# Altium PCB I2C_Jog_Controller.pcbdoc (part 1 of 9)
Units mil, origin at the board's own origin, x right, y up, seen from the top; angles counter-clockwise.
Board outline 3937.01 x 3937.01 mil, 2 copper layers (Top Layer, Bottom Layer), stack 65.398 mil thick; 211 components, 144 nets, 5702 pads, 342 vias.
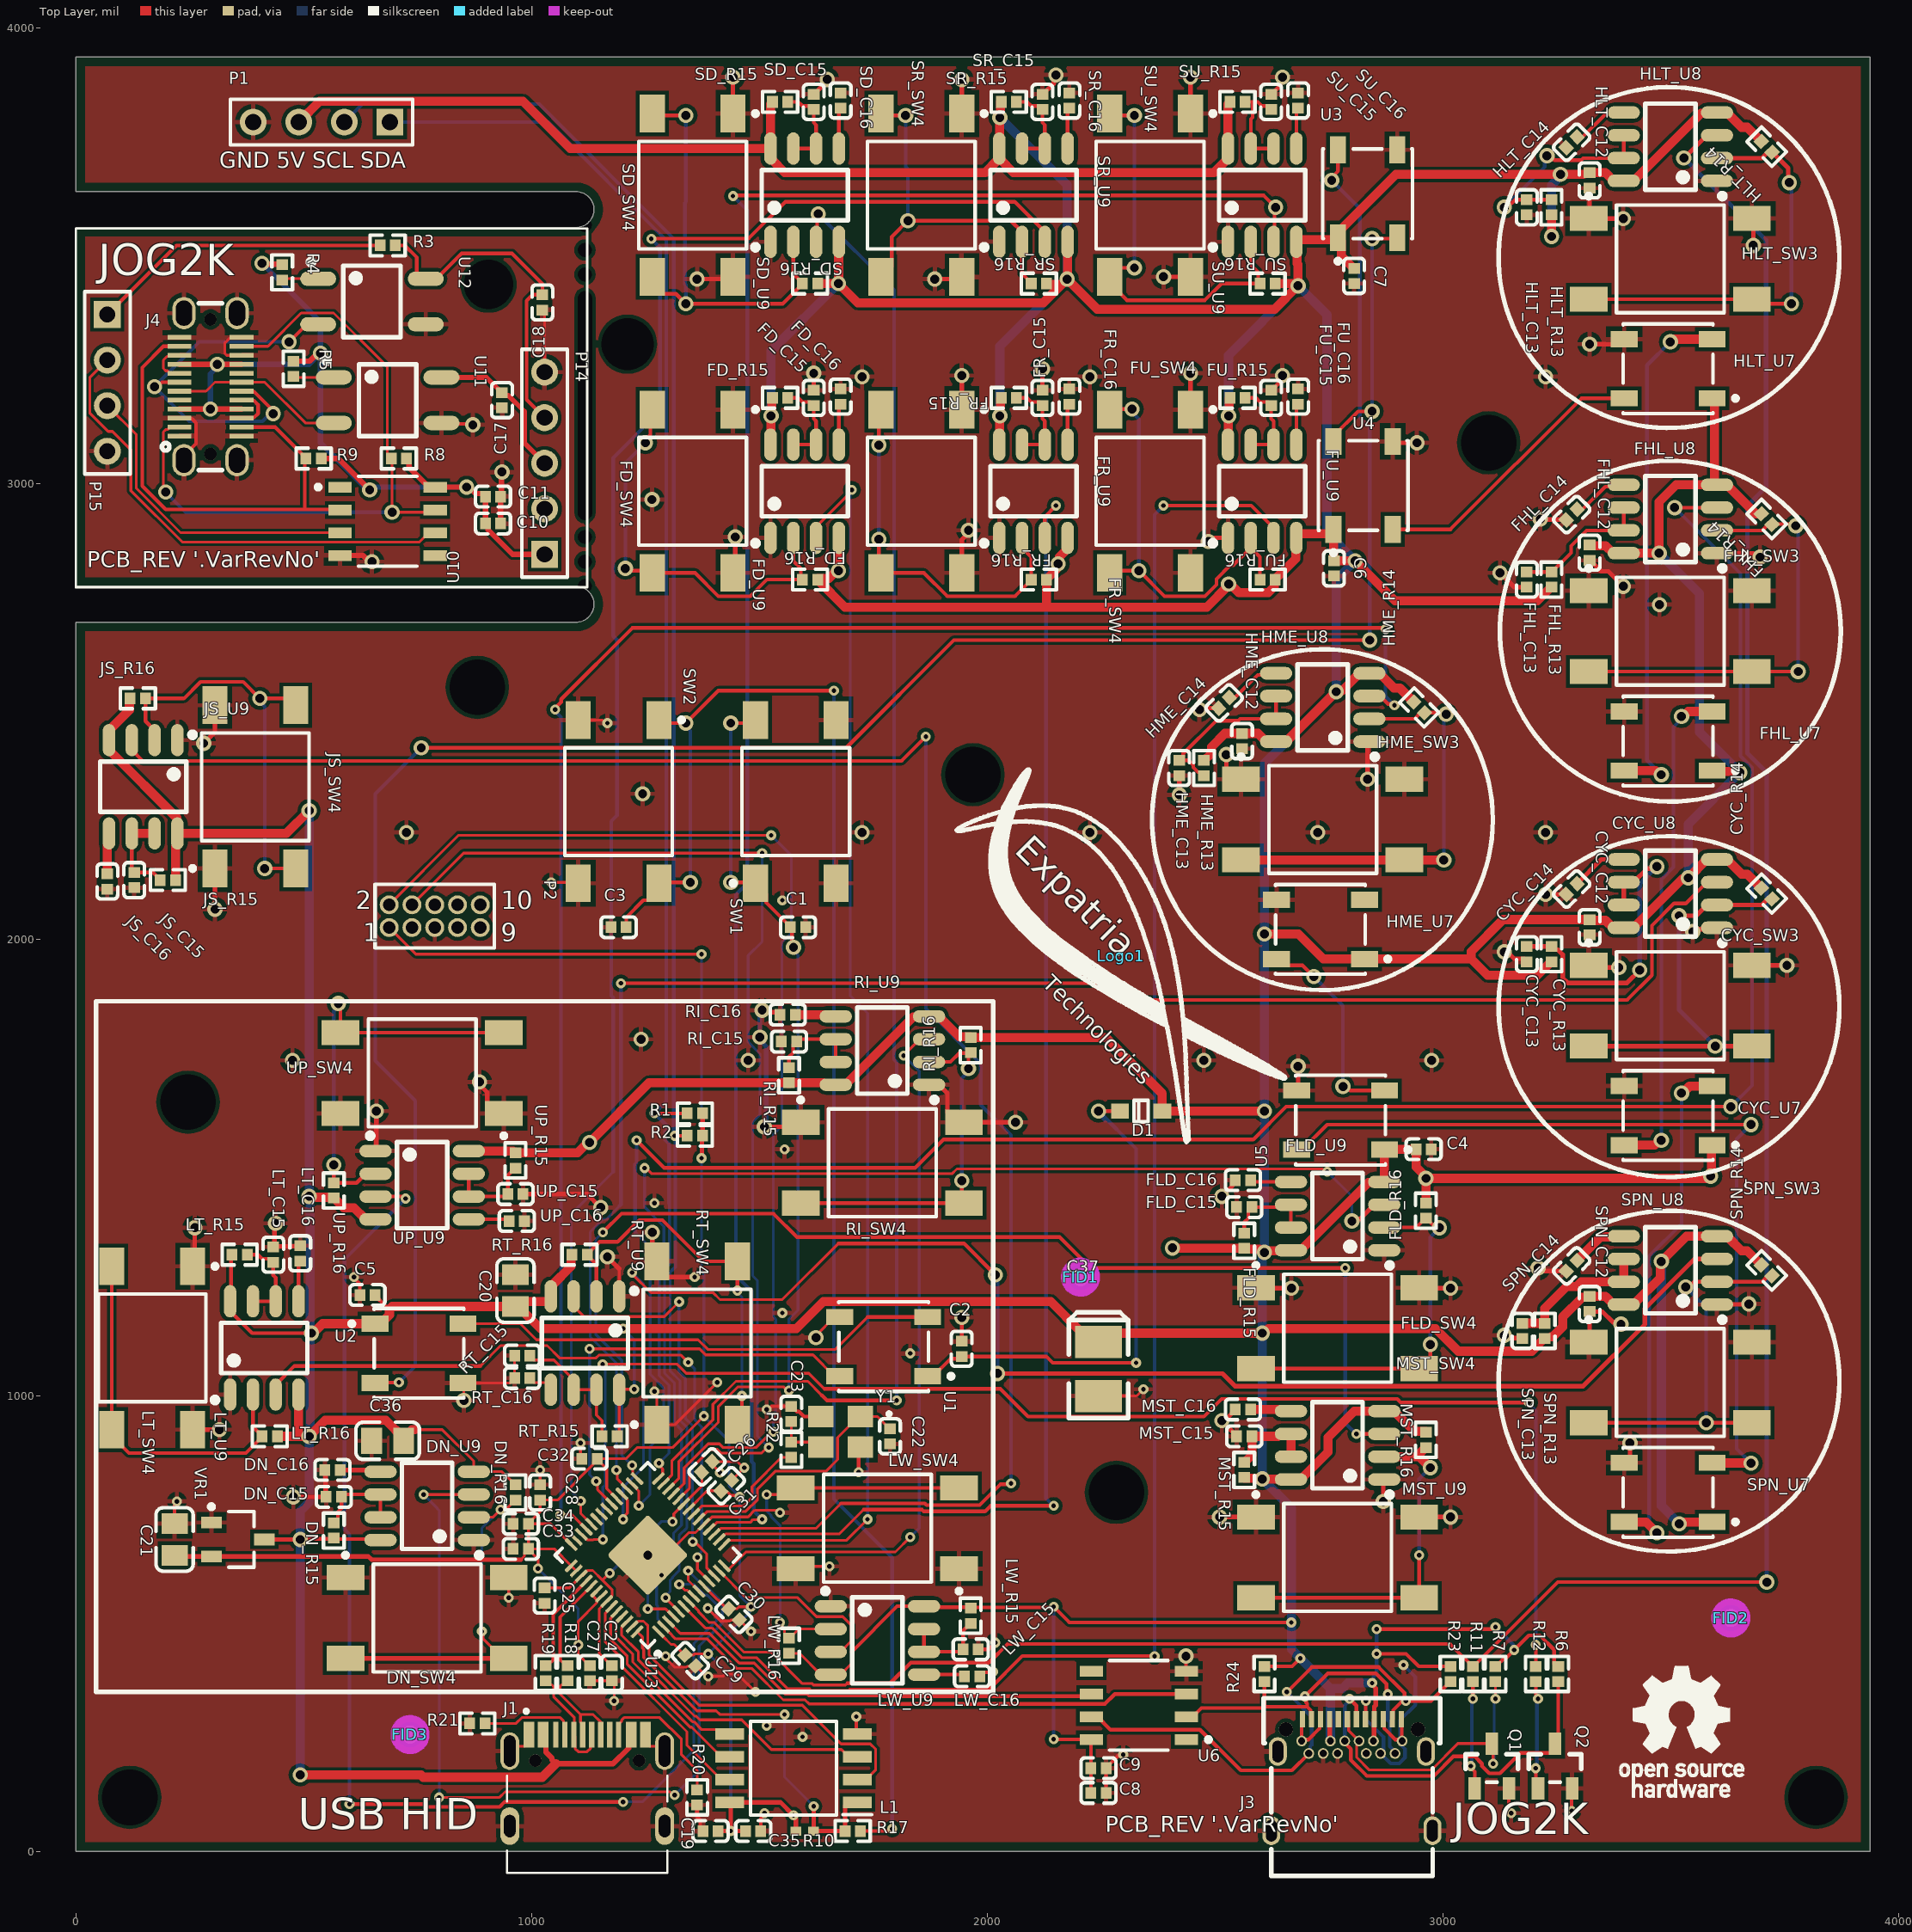
[diagram p0: Top Layer view]
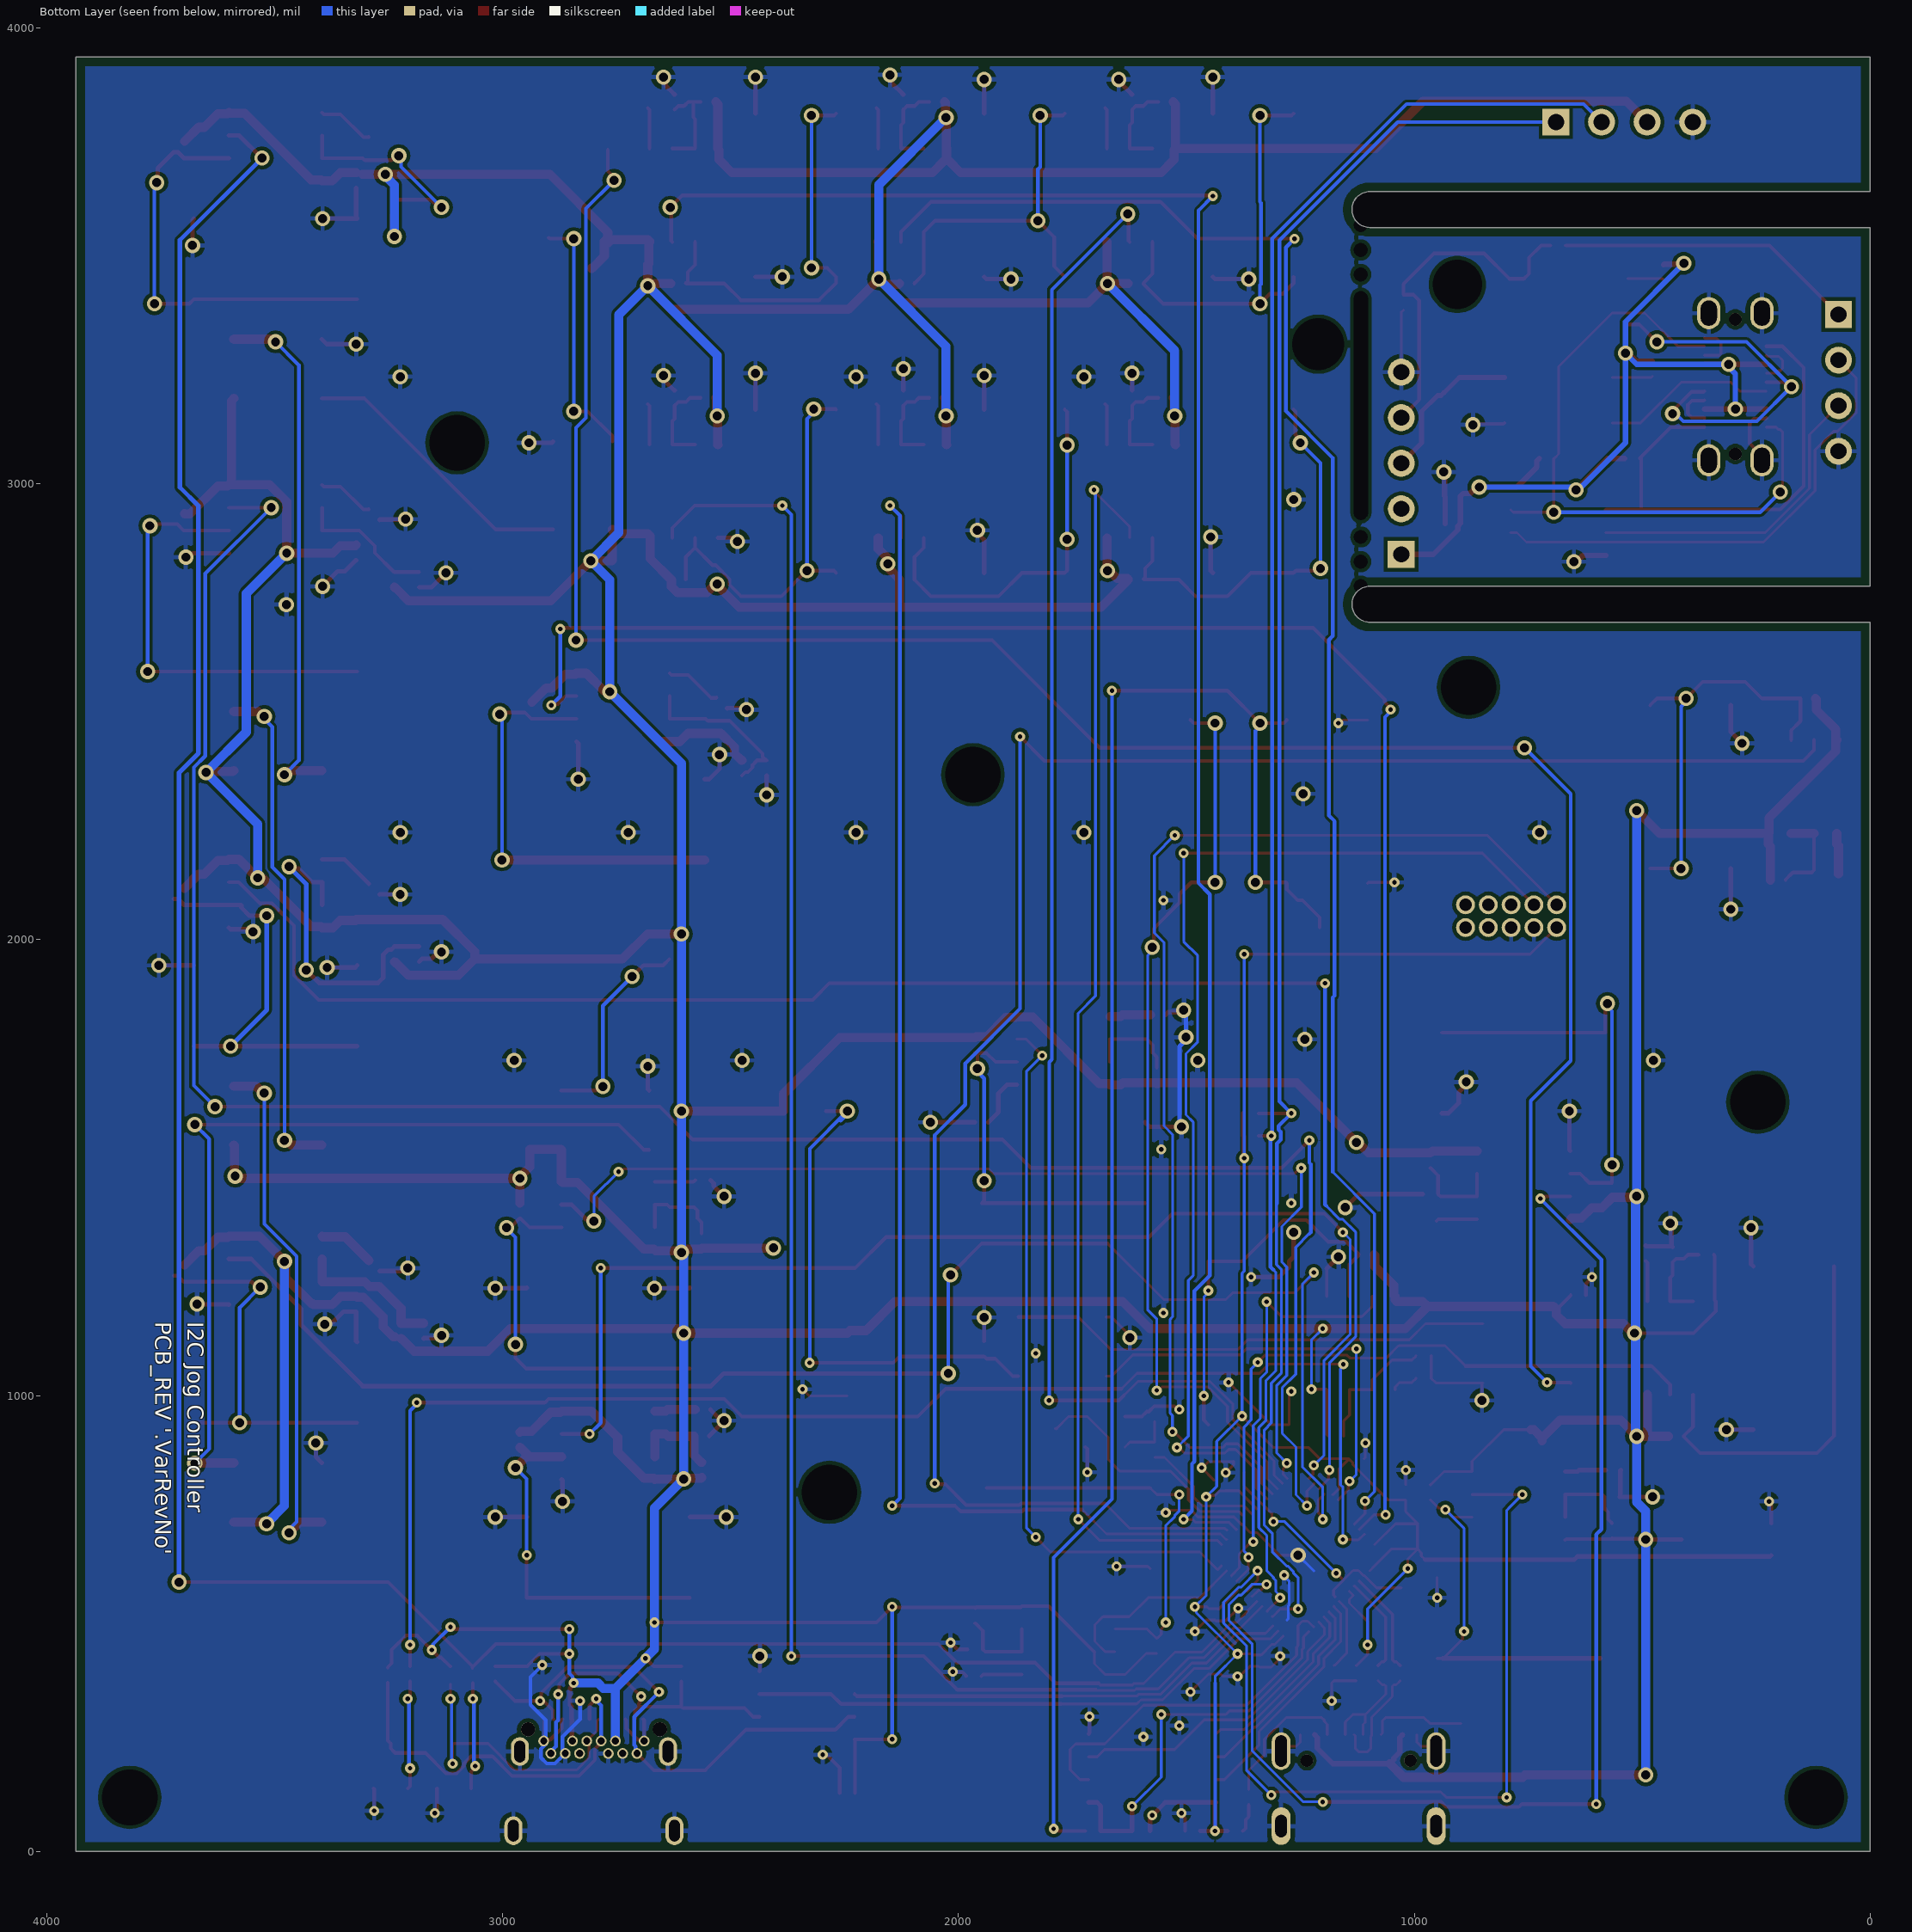
[diagram p1: Bottom Layer view, seen from below]

## Layer stack, top to bottom
Top Solder: solder mask 0.4, Solder Resist, Dk 3.5
Top Layer: signal copper 1.4
Dielectric1: dielectric 62.5984, FR-4, Dk 4.8
Bottom Layer: signal copper 1.4
Bottom Solder: solder mask 0.4, Solder Resist, Dk 3.5

## Board outline
0,0 0,2696.85 1097.44,2696.85 ccw(c1097.44,2736.22) 1136.81,2736.22 ccw(c1097.44,2736.22) 1097.44,2775.59 0,2775.59 0,3562.99 1097.44,3562.99 ccw(c1097.44,3602.36) 1136.81,3602.36 ccw(c1097.44,3602.36) 1097.44,3641.73 0,3641.73 0,3937.01 3937.01,3937.01 3937.01,0

## Design rules (kind name [scope] priority, off if disabled: settings)
BoardOutlineClearance [OnLayer('Top Layer')] p1: gap=20 ignorepadtopadclearanceinfootprint=FALSE
BoardOutlineClearance BoardOutlineClearance_3 [OnLayer('GND')] p2: gap=20 ignorepadtopadclearanceinfootprint=FALSE
BoardOutlineClearance BoardOutlineClearance_2 [OnLayer('PWR')] p3: gap=20 ignorepadtopadclearanceinfootprint=FALSE
BoardOutlineClearance BoardOutlineClearance_1 [OnLayer('Bottom Layer')] p4: gap=20 ignorepadtopadclearanceinfootprint=FALSE
Clearance [All] p1: gap=10 ignorepadtopadclearanceinfootprint=TRUE except(0: SMDPad-Hole Fill-Hole Poly-Hole Region-Hole Text-Hole; 6: Arc-Arc Arc-Track Arc-SMDPad Arc-THPad Arc-Via Arc-Fill Arc-Poly Arc-Region Track-Track Track-SMDPad Track-THPad Track-Via Track-Fill Track-Poly Track-Region; 8: SMDPad-Fill SMDPad-Poly SMDPad-Region THPad-Fill THPad-Poly THPad-Region Via-Fill Via-Poly Via-Region; 12: SMDPad-Via THPad-Via; 19.68: THPad-Hole Via-Hole; 20: SMDPad-SMDPad SMDPad-THPad THPad-THPad)
Clearance "Pad Clearance" [IsPad vs IsPad] p2: gap=10 ignorepadtopadclearanceinfootprint=TRUE except(0: Arc-Hole Track-Hole SMDPad-Hole THPad-Hole Via-Hole Fill-Hole Poly-Hole Region-Hole Text-Hole; 8: Arc-Arc Arc-Track Arc-Fill Arc-Poly Arc-Region Track-Track Track-Fill Track-Poly Track-Region SMDPad-Fill SMDPad-Poly SMDPad-Region THPad-Fill THPad-Poly THPad-Region Via-Fill Via-Poly Via-Region; 12: SMDPad-Via THPad-Via; 20: SMDPad-SMDPad SMDPad-THPad THPad-THPad)
DiffPairsRouting [All] p1: maxlimit=10 minlimit=8 mostfreqgap=8 toplayer_minwidth=6 toplayer_maxwidth=15 toplayer_prefwidth=10 bottomlayer_minwidth=6 bottomlayer_maxwidth=15 bottomlayer_prefwidth=10 maxuncoupledlength=500
HoleSize [All] p1: absolutevalues=TRUE maxlimit=200 minlimit=1 maxpercent=80.000 minpercent=20.000
MinimumAnnularRing [All] p1: minimumring=5.91
MinimumSolderMaskSliver [All] p1: minsoldermaskwidth=5
PolygonConnect [All] p1: connectstyle=Relief reliefconductorwidth=10 reliefentries=4 polygonreliefangle="90 Angle" airgapwidth=10
RoomDefinition EXT_KEYPAD_HOST [InComponentClass('EXT_KEYPAD_HOST')] p1: confinementstyle=ConfineIn formatcopy=TRUE lockcomponents=FALSE outline -4.92,2762.01 1131.89,2762.01 1131.89,3569.09 -4.92,3569.09
RoomDefinition UP [InComponentClass('UP')] p2: confinementstyle=ConfineIn formatcopy=FALSE lockcomponents=FALSE outline 1028.54,1845.47 501.97,1845.47 501.97,1343.5 1028.54,1343.5
RoomDefinition RI [InComponentClass('RI')] p3: confinementstyle=ConfineIn formatcopy=FALSE lockcomponents=FALSE outline 1500.98,1373.03 2027.56,1373.03 2027.56,1875 1500.98,1875
RoomDefinition RT [InComponentClass('RT')] p4: confinementstyle=ConfineIn formatcopy=FALSE lockcomponents=FALSE outline 1500.98,846.46 1500.98,1373.03 999.02,1373.03 999.02,846.46
RoutingVias [All] p1: holewidth=28 width=50 viastyle="Through Hole" minholewidth=28 minwidth=50 maxholewidth=28 maxwidth=50 useviatemplates=TRUE viatemplateguid#1={BFFD9740-341D-4AD9-B79F-4B3A6FD94E21} viatemplateguid#2={B8B63042-2D40-4E80-9520-6BE156933843} viatemplateguid#3={258D7197-C609-4471-9505-9E0C03CAD9C0} viatemplatename#1=v56h25m0mx0(1) viatemplatename#2=v85h50 viatemplatename#3=v127h71
SilkToSolderMaskClearance SilkscreenOverComponentPads [IsPad] p1: minsilkscreentomaskgap=10 clearancetoexposedcopper=TRUE
SolderMaskExpansion [All] p1: expansion=4 istentingtop=FALSE
ViasUnderSMD [All] p1: allowed=FALSE
Width [All] p1: maxlimit=200 minlimit=6 preferedwidth=8 minimp=50.000000 maximp=50.000000 favimp=50.000000
26 further rules are at their usual default settings.

## Classes and differential pairs
component class MCU: C19 C20 C21 C22 C23 C24 C25 C26 C27 C28 C29 C30 C31 C32 C33 C34 C35 C36 J1 L1 P2 R10 R17 R18 R19 R20 R21 R22 U13 VR1 Y1
component class EXT_KEYPAD_HOST: C10 C11 C17 C18 J4 P14 P15 R3 R4 R5 R8 R9 U10 U11 U12
component class HME: HME_C12 HME_C13 HME_C14 HME_R13 HME_R14 HME_SW3 HME_U7 HME_U8
channel class PushButtondirection: DN FD FLD FR FU JS LT LW MST RI RT SD SR SU UP
component class UP: UP_C15 UP_C16 UP_R15 UP_R16 UP_SW4 UP_U9
component class SU: SU_C15 SU_C16 SU_R15 SU_R16 SU_SW4 SU_U9
component class SR: SR_C15 SR_C16 SR_R15 SR_R16 SR_SW4 SR_U9
component class SD: SD_C15 SD_C16 SD_R15 SD_R16 SD_SW4 SD_U9
component class RT: RT_C15 RT_C16 RT_R15 RT_R16 RT_SW4 RT_U9
component class LW: LW_C15 LW_C16 LW_R15 LW_R16 LW_SW4 LW_U9
component class SPN: SPN_C12 SPN_C13 SPN_C14 SPN_R13 SPN_R14 SPN_SW3 SPN_U7 SPN_U8
component class FLD: FLD_C15 FLD_C16 FLD_R15 FLD_R16 FLD_SW4 FLD_U9
component class MST: MST_C15 MST_C16 MST_R15 MST_R16 MST_SW4 MST_U9
component class CYC: CYC_C12 CYC_C13 CYC_C14 CYC_R13 CYC_R14 CYC_SW3 CYC_U7 CYC_U8
component class FHL: FHL_C12 FHL_C13 FHL_C14 FHL_R13 FHL_R14 FHL_SW3 FHL_U7 FHL_U8
component class HLT: HLT_C12 HLT_C13 HLT_C14 HLT_R13 HLT_R14 HLT_SW3 HLT_U7 HLT_U8
component class LT: LT_C15 LT_C16 LT_R15 LT_R16 LT_SW4 LT_U9
component class JS: JS_C15 JS_C16 JS_R15 JS_R16 JS_SW4 JS_U9
component class FU: FU_C15 FU_C16 FU_R15 FU_R16 FU_SW4 FU_U9
component class FR: FR_C15 FR_C16 FR_R15 FR_R16 FR_SW4 FR_U9
component class FD: FD_C15 FD_C16 FD_R15 FD_R16 FD_SW4 FD_U9
component class DN: DN_C15 DN_C16 DN_R15 DN_R16 DN_SW4 DN_U9
channel class PushButtonBlack: CYC FHL HLT HME SPN
component class RI: RI_C15 RI_C16 RI_R15 RI_R16 RI_SW4 RI_U9
component class EXT_KEYPAD: C8 C9 J3 Q1 Q2 R6 R7 R11 R12 R23 R24 U6
component class U_PrintNC_BREAKOUT: C1 C2 C3 C4 C5 C6 C7 C37 D1 P1 R1 R2 SW1 SW2 U1 U2 U3 U4 U5
differential pair USB_D: +USB_D_P -USB_D_N
differential pair USB_D_R: +USB_D_R_P -USB_D_R_N

## Components (designator, comment, footprint, x,y, rotation, side; value= is the part's Value field where it differs from the comment)
C1 "100nF" 0402_C 1584.65,2027.56 r180 top
C2 "1.0uF" 0402_C 1943.9,1102.36 r270 top
C3 "100nF" 0402_C 1190.94,2027.56 r0 top
C4 "1.0uF" 0402_C 2957.68,1540.35 r180 top
C5 "1.0uF" 0402_C 639.76,1220.47 r0 top
C6 "1.0uF" 0402_C 2760.83,2814.96 r90 top
C7 "1.0uF" 0402_C 2805.12,3456.69 r90 top
C8 "1.0uF" 0402_C 2244.09,127.95 r180 top
C9 "100nF" 0402_C 2244.09,182.09 r180 top
C10 "1.0uF" 0402_C 915.35,2913.39 r180 top
C11 "100nF" 0402_C 915.35,2972.44 r180 top
C17 "1.0uF" 0402_C 935.04,3184.06 r90 top
C18 "100nF" 0402_C 1023.62,3398.62 r90 top
C19 "4.7uF" 0402_C 1392.72,44.29 r0 top
C20 "22uF" 0805_C 964.57,1230.32 r270 top
C21 "22uF" 0805_C 216.54,684.06 r270 top
C22 "10pF" 0402_C 1786.42,910.43 r270 top
C23 "10pF" 0402_C 1569.88,959.65 r90 top
C24 "100nF" 0402_C 1176.18,390.75 r90 top
C25 "100nF" 0402_C 1028.54,561.02 r90 top
C26 "1.0uF" 0402_C 1384.86,843.52 r225 top
C27 "1.0uF" 0402_C 1127.76,390.75 r90 top
C28 "100nF" 0402_C 1018.7,787.4 r270 top
C29 "100nF" 0402_C 1348.43,418.31 r135 top
C30 "100nF" 0402_C 1443.92,519.66 r135 top
C31 "100nF" 0402_C 1427.17,802.17 r225 top
C32 "100nF" 0402_C 1126.97,861.22 r0 top
C33 "100nF" 0402_C 976.38,663.39 r0 top
C34 "100nF" 0402_C 976.38,718.5 r0 top
C35 "100nF" 0402_C 1486.22,44.29 r180 top
C36 "22uF" 0805_C 684.06,900.59 r0 top
C37 "100uF" CASE-B_3528 2244.09,1058.07 r90 top
CYC_C12 "1.0uF" 0402_C 3321.85,2027.56 r90 top (schematic designator C12)
CYC_C13 "1.0uF" 0402_C 3184.06,1968.5 r90 top (schematic designator C13)
CYC_C14 "1.0uF" 0402_C 3282.48,2111.22 r225 top (schematic designator C14)
CYC_R13 "33KΩ ±1%" 0402_R 3238.19,1968.5 r90 top (schematic designator R13)
CYC_R14 "1KΩ ±1%" 0402_R 3710.63,2101.38 r315 top (schematic designator R14)
CYC_SW3 "K2-1102SP-C4SC-04" TECO-FSM4JSMATR_V 3499.02,1855.31 r90 top (schematic designator SW3)
CYC_U7 "WS2812B-B/W" ADA-RGB-1655_V 3494.09,1614.17 r180 top (schematic designator U7)
CYC_U8 "NE555DR" SOIC-8_150mil 3499.02,2101.38 r90 top (schematic designator U8)
D1 "1N4148WS T4" SOD-323 2337.6,1624.02 r0 top
DN_C15 "1.0uF" 0402_C 565.94,777.56 r0 top (schematic designator C15)
DN_C16 "1.0uF" 0402_C 562.99,836.61 r180 top (schematic designator C16)
DN_R15 "33KΩ ±1%" 0402_R 565.94,703.74 r90 top (schematic designator R15)
DN_R16 "1KΩ ±1%" 0402_R 964.57,787.4 r270 top (schematic designator R16)
DN_SW4 "K2-1102SP-C4SC-04" TECO-FSM4JSMATR_V 770.67,511.81 r90 top (schematic designator SW4)
DN_U9 "NE555DR" SOIC-8_150mil 770.67,757.87 r90 top (schematic designator U9)
FD_C15 "1.0uF" 0402_C 1619.09,3188.98 r270 top (schematic designator C15)
FD_C16 "1.0uF" 0402_C 1678.15,3191.93 r90 top (schematic designator C16)
FD_R15 "33KΩ ±1%" 0402_R 1545.28,3188.98 r0 top (schematic designator R15)
FD_R16 "1KΩ ±1%" 0402_R 1611.22,2790.35 r180 top (schematic designator R16)
FD_SW4 "K2-1102SP-C4SC-04" TECO-FSM4JSMATR_V 1353.35,2984.25 r0 top (schematic designator SW4)
FD_U9 "NE555DR" SOIC-8_150mil 1599.41,2984.25 r0 top (schematic designator U9)
FHL_C12 "1.0uF" 0402_C 3321.85,2849.41 r90 top (schematic designator C12)
FHL_C13 "1.0uF" 0402_C 3184.06,2790.35 r90 top (schematic designator C13)
FHL_C14 "1.0uF" 0402_C 3282.48,2933.07 r225 top (schematic designator C14)
FHL_R13 "33KΩ ±1%" 0402_R 3238.19,2790.35 r90 top (schematic designator R13)
FHL_R14 "1KΩ ±1%" 0402_R 3710.63,2923.23 r315 top (schematic designator R14)
FHL_SW3 "K2-1102SP-C4SC-04" TECO-FSM4JSMATR_V 3499.02,2677.17 r90 top (schematic designator SW3)
FHL_U7 "WS2812B-B/W" ADA-RGB-1655_V 3494.09,2436.02 r180 top (schematic designator U7)
FHL_U8 "NE555DR" SOIC-8_150mil 3499.02,2923.23 r90 top (schematic designator U8)
FID1 "Fiducial" Fiducial10-20 2204.72,1259.84 r0 top
FID2 "Fiducial" Fiducial10-20 3631.89,511.81 r0 top
FID3 "Fiducial" Fiducial10-20 733.27,255.91 r0 top
FLD_C15 "1.0uF" 0402_C 2563.98,1413.39 r0 top (schematic designator C15)
FLD_C16 "1.0uF" 0402_C 2561.02,1472.44 r180 top (schematic designator C16)
FLD_R15 "33KΩ ±1%" 0402_R 2563.98,1339.57 r90 top (schematic designator R15)
FLD_R16 "1KΩ ±1%" 0402_R 2962.6,1405.51 r270 top (schematic designator R16)
FLD_SW4 "K2-1102SP-C4SC-04" TECO-FSM4JSMATR_V 2768.7,1147.64 r90 top (schematic designator SW4)
FLD_U9 "NE555DR" SOIC-8_150mil 2768.7,1393.7 r90 top (schematic designator U9)
FR_C15 "1.0uF" 0402_C 2121.06,3188.98 r270 top (schematic designator C15)
FR_C16 "1.0uF" 0402_C 2180.12,3191.93 r90 top (schematic designator C16)
FR_R15 "33KΩ ±1%" 0402_R 2047.24,3188.98 r0 top (schematic designator R15)
FR_R16 "1KΩ ±1%" 0402_R 2113.19,2790.35 r180 top (schematic designator R16)
FR_SW4 "K2-1102SP-C4SC-04" TECO-FSM4JSMATR_V 1855.31,2984.25 r0 top (schematic designator SW4)
FR_U9 "NE555DR" SOIC-8_150mil 2101.38,2984.25 r0 top (schematic designator U9)
FU_C15 "1.0uF" 0402_C 2623.03,3188.98 r270 top (schematic designator C15)
FU_C16 "1.0uF" 0402_C 2682.09,3191.93 r90 top (schematic designator C16)
FU_R15 "33KΩ ±1%" 0402_R 2549.21,3188.98 r0 top (schematic designator R15)
FU_R16 "1KΩ ±1%" 0402_R 2615.16,2790.35 r180 top (schematic designator R16)
FU_SW4 "K2-1102SP-C4SC-04" TECO-FSM4JSMATR_V 2357.28,2984.25 r0 top (schematic designator SW4)
FU_U9 "NE555DR" SOIC-8_150mil 2603.35,2984.25 r0 top (schematic designator U9)
HLT_C12 "1.0uF" 0402_C 3321.85,3666.34 r90 top (schematic designator C12)
HLT_C13 "1.0uF" 0402_C 3184.06,3607.28 r90 top (schematic designator C13)
HLT_C14 "1.0uF" 0402_C 3282.48,3750 r225 top (schematic designator C14)
HLT_R13 "33KΩ ±1%" 0402_R 3238.19,3607.28 r90 top (schematic designator R13)
HLT_R14 "1KΩ ±1%" 0402_R 3710.63,3740.16 r315 top (schematic designator R14)
HLT_SW3 "K2-1102SP-C4SC-04" TECO-FSM4JSMATR_V 3499.02,3494.09 r90 top (schematic designator SW3)
HLT_U7 "WS2812B-B/W" ADA-RGB-1655_V 3494.09,3252.95 r180 top (schematic designator U7)
HLT_U8 "NE555DR" SOIC-8_150mil 3499.02,3740.16 r90 top (schematic designator U8)
HME_C12 "1.0uF" 0402_C 2559.06,2436.02 r90 top (schematic designator C12)
HME_C13 "1.0uF" 0402_C 2421.26,2376.97 r90 top (schematic designator C13)
HME_C14 "1.0uF" 0402_C 2519.68,2519.69 r225 top (schematic designator C14)
HME_R13 "33KΩ ±1%" 0402_R 2475.39,2376.97 r270 top (schematic designator R13)
HME_R14 "1KΩ ±1%" 0402_R 2947.83,2509.84 r315 top (schematic designator R14)
HME_SW3 "K2-1102SP-C4SC-04" TECO-FSM4JSMATR_V 2736.22,2263.78 r90 top (schematic designator SW3)
HME_U7 "WS2812B-B/W" ADA-RGB-1655_V 2731.3,2022.64 r180 top (schematic designator U7)
HME_U8 "NE555DR" SOIC-8_150mil 2736.22,2509.84 r90 top (schematic designator U8)
J1 "TYPE-C-31-M-12" HRO_TYPE-C-31-M-12 1122.05,55.12 r0 top
J3 "TYPE-C-31-M-04" USB-C-SMD_TYPE-C-USB-20 2800.2,167.32 r0 top
J4 "GT-USB-7061" USB-C-SMD_GT-USB-7061 295.28,3213.58 r90 top
JS_C15 "1.0uF" 0402_C 127.95,2130.91 r90 top (schematic designator C15)
JS_C16 "1.0uF" 0402_C 68.9,2127.95 r270 top (schematic designator C16)
JS_R15 "33KΩ ±1%" 0402_R 201.77,2130.91 r180 top (schematic designator R15)
JS_R16 "1KΩ ±1%" 0402_R 135.83,2529.53 r0 top (schematic designator R16)
JS_SW4 "K2-1102SP-C4SC-04" TECO-FSM4JSMATR_V 393.7,2335.63 r180 top (schematic designator SW4)
JS_U9 "NE555DR" SOIC-8_150mil 147.64,2335.63 r180 top (schematic designator U9)
L1 "W25Q128JVSIQ_TR" SOIC127P780X195-8N 1574.8,182.09 r180 top
Logo1 "Expatria" Expatria-Logo 64484.43,1366.1 r315 top value="SBT LOGO"
LT_C15 "1.0uF" 0402_C 433.07,1309.06 r270 top (schematic designator C15)
LT_C16 "1.0uF" 0402_C 492.13,1312.01 r90 top (schematic designator C16)
LT_R15 "33KΩ ±1%" 0402_R 359.25,1309.06 r0 top (schematic designator R15)
LT_R16 "1KΩ ±1%" 0402_R 425.2,910.43 r180 top (schematic designator R16)
LT_SW4 "K2-1102SP-C4SC-04" TECO-FSM4JSMATR_V 167.32,1104.33 r0 top (schematic designator SW4)
LT_U9 "NE555DR" SOIC-8_150mil 413.39,1104.33 r0 top (schematic designator U9)
LW_C15 "1.0uF" 0402_C 1963.58,442.91 r180 top (schematic designator C15)
LW_C16 "1.0uF" 0402_C 1966.54,383.86 r0 top (schematic designator C16)
LW_R15 "33KΩ ±1%" 0402_R 1963.58,516.73 r270 top (schematic designator R15)
LW_R16 "1KΩ ±1%" 0402_R 1564.96,450.79 r90 top (schematic designator R16)
LW_SW4 "K2-1102SP-C4SC-04" TECO-FSM4JSMATR_V 1758.86,708.66 r270 top (schematic designator SW4)
LW_U9 "NE555DR" SOIC-8_150mil 1758.86,462.6 r270 top (schematic designator U9)
MST_C15 "1.0uF" 0402_C 2563.98,910.43 r0 top (schematic designator C15)
MST_C16 "1.0uF" 0402_C 2561.02,969.49 r180 top (schematic designator C16)
MST_R15 "33KΩ ±1%" 0402_R 2563.98,836.61 r90 top (schematic designator R15)
MST_R16 "1KΩ ±1%" 0402_R 2962.6,902.56 r270 top (schematic designator R16)
MST_SW4 "K2-1102SP-C4SC-04" TECO-FSM4JSMATR_V 2768.7,644.69 r90 top (schematic designator SW4)
MST_U9 "NE555DR" SOIC-8_150mil 2768.7,890.75 r90 top (schematic designator U9)
P1 "SCREEN" HDR1X4 688.98,3794.29 r180 top
P2 "62201021121" 62201021121 787.4,2051.77 r0 top
P14 "Header 5" HDR1X5 1028.54,2845.67 r90 top
P15 "Header 4" HDR1X4 68.9,3372.05 r270 top
Q1 "MMBT5551  G1" SOT-23(SOT-23-3) 3107.28,187.01 r270 top
Q2 "MMBT5551  G1" SOT-23(SOT-23-3) 3246.06,187.01 r270 top
R1 "4.7KΩ ±1%" 0402_R 1358.27,1619.09 r0 top
R2 "4.7KΩ ±1%" 0402_R 1358.27,1569.88 r0 top
R3 "4.7KΩ ±1%" 0402_R 684.06,3523.62 r180 top
R4 "1KΩ ±1%" 0402_R 452.76,3464.57 r270 top
R5 "1KΩ ±1%" 0402_R 477.36,3252.95 r270 top
R6 "1KΩ ±1%" 0402_R 3252.95,388.78 r270 top
R7 "1KΩ ±1%" 0402_R 3115.16,388.78 r270 top
R8 "2.2KΩ ±1%" 0402_R 708.66,3056.1 r0 top
R9 "2.2KΩ ±1%" 0402_R 521.65,3056.1 r0 top
R10 "DNP" 0402 1599.41,44.29 r180 top value=0R
R11 "10KΩ ±1%" 0402_R 3065.94,388.78 r90 top
R12 "10KΩ ±1%" 0402_R 3203.74,388.78 r270 top
R17 "1KΩ ±1%" 0402_R 1704.72,44.29 r180 top
R18 "22Ω ±1%" 0402_R 1079.35,390.75 r90 top
R19 "22Ω ±1%" 0402_R 1030.93,390.75 r90 top
R20 "5.1KΩ ±1%" 0402_R 1363.19,118.11 r270 top
R21 "5.1KΩ ±1%" 0402_R 880.91,280.51 r180 top
R22 "470Ω ±1%" 0402_R 1569.88,880.91 r270 top
R23 "2.2KΩ ±1%" 0402_R 3016.73,388.78 r90 top
R24 "2.2KΩ ±1%" 0402_R 2608.27,388.78 r90 top
RI_C15 "1.0uF" 0402_C 1564.96,1776.57 r0 top (schematic designator C15)
RI_C16 "1.0uF" 0402_C 1562.01,1835.63 r180 top (schematic designator C16)
RI_R15 "33KΩ ±1%" 0402_R 1564.96,1702.76 r90 top (schematic designator R15)
RI_R16 "1KΩ ±1%" 0402_R 1963.58,1768.7 r270 top (schematic designator R16)
RI_SW4 "K2-1102SP-C4SC-04" TECO-FSM4JSMATR_V 1769.68,1510.83 r90 top (schematic designator SW4)
RI_U9 "NE555DR" SOIC-8_150mil 1769.68,1756.89 r90 top (schematic designator U9)
RT_C15 "1.0uF" 0402_C 979.33,1087.6 r0 top (schematic designator C15)
RT_C16 "1.0uF" 0402_C 979.33,1038.39 r180 top (schematic designator C16)
RT_R15 "33KΩ ±1%" 0402_R 1171.26,910.43 r180 top (schematic designator R15)
RT_R16 "1KΩ ±1%" 0402_R 1105.31,1309.06 r0 top (schematic designator R16)
RT_SW4 "K2-1102SP-C4SC-04" TECO-FSM4JSMATR_V 1363.19,1115.16 r180 top (schematic designator SW4)
RT_U9 "NE555DR" SOIC-8_150mil 1117.13,1115.16 r180 top (schematic designator U9)
SD_C15 "1.0uF" 0402_C 1619.09,3838.58 r270 top (schematic designator C15)
SD_C16 "1.0uF" 0402_C 1678.15,3841.54 r90 top (schematic designator C16)
SD_R15 "33KΩ ±1%" 0402_R 1545.28,3838.58 r0 top (schematic designator R15)
SD_R16 "1KΩ ±1%" 0402_R 1611.22,3439.96 r180 top (schematic designator R16)
SD_SW4 "K2-1102SP-C4SC-04" TECO-FSM4JSMATR_V 1353.35,3633.86 r0 top (schematic designator SW4)
SD_U9 "NE555DR" SOIC-8_150mil 1599.41,3633.86 r0 top (schematic designator U9)
SPN_C12 "1.0uF" 0402_C 3321.85,1200.79 r90 top (schematic designator C12)
SPN_C13 "1.0uF" 0402_C 3174.21,1141.73 r90 top (schematic designator C13)
SPN_C14 "1.0uF" 0402_C 3282.48,1284.45 r225 top (schematic designator C14)
SPN_R13 "33KΩ ±1%" 0402_R 3223.43,1141.73 r90 top (schematic designator R13)
SPN_R14 "1KΩ ±1%" 0402_R 3710.63,1274.61 r315 top (schematic designator R14)
SPN_SW3 "K2-1102SP-C4SC-04" TECO-FSM4JSMATR_V 3499.02,1028.54 r90 top (schematic designator SW3)
SPN_U7 "WS2812B-B/W" ADA-RGB-1655_V 3494.09,787.4 r180 top (schematic designator U7)
SPN_U8 "NE555DR" SOIC-8_150mil 3499.02,1274.61 r90 top (schematic designator U8)
SR_C15 "1.0uF" 0402_C 2121.06,3838.58 r270 top (schematic designator C15)
SR_C16 "1.0uF" 0402_C 2180.12,3841.54 r90 top (schematic designator C16)
SR_R15 "33KΩ ±1%" 0402_R 2047.24,3838.58 r0 top (schematic designator R15)
SR_R16 "1KΩ ±1%" 0402_R 2113.19,3439.96 r180 top (schematic designator R16)
SR_SW4 "K2-1102SP-C4SC-04" TECO-FSM4JSMATR_V 1855.31,3633.86 r0 top (schematic designator SW4)
SR_U9 "NE555DR" SOIC-8_150mil 2101.38,3633.86 r0 top (schematic designator U9)
SU_C15 "1.0uF" 0402_C 2623.03,3838.58 r270 top (schematic designator C15)
SU_C16 "1.0uF" 0402_C 2682.09,3841.54 r90 top (schematic designator C16)
SU_R15 "33KΩ ±1%" 0402_R 2549.21,3838.58 r0 top (schematic designator R15)
SU_R16 "1KΩ ±1%" 0402_R 2615.16,3439.96 r180 top (schematic designator R16)
SU_SW4 "K2-1102SP-C4SC-04" TECO-FSM4JSMATR_V 2357.28,3633.86 r0 top (schematic designator SW4)
SU_U9 "NE555DR" SOIC-8_150mil 2603.35,3633.86 r0 top (schematic designator U9)
SW1 "K2-1102SP-C4SC-04" TECO-FSM4JSMATR_V 1579.72,2303.15 r180 top
SW2 "K2-1102SP-C4SC-04" TECO-FSM4JSMATR_V 1190.94,2303.15 r0 top
U1 "WS2812B-B/W" ADA-RGB-1655_V 1772.64,1107.28 r180 top
U2 "WS2812B-B/W" ADA-RGB-1655_V 752.95,1092.52 r0 top
U3 "WS2812B-B/W" ADA-RGB-1655_V 2834.65,3636.81 r90 top
U4 "WS2812B-B/W" ADA-RGB-1655_V 2824.8,2997.05 r90 top
U5 "WS2812B-B/W" ADA-RGB-1655_V 2775.59,1604.33 r180 top
U6 "P82B715TD,112" FP-SOT96-1-MFG 2332.68,319.88 r180 top
U10 "P82B715TD,112" FP-SOT96-1-MFG 684.06,2918.31 r0 top
U11 "EL357N(B)(TA)-G" SOP-4_P2.54 684.06,3184.06 r0 top
U12 "EL357N(B)(TA)-G" SOP-4_P2.54 649.61,3400.59 r0 top
U13 "RP2040" RP2040 1254.92,649.61 r135 top
UP_C15 "1.0uF" 0402_C 964.57,1441.93 r180 top (schematic designator C15)
UP_C16 "1.0uF" 0402_C 967.52,1382.87 r0 top (schematic designator C16)
UP_R15 "33KΩ ±1%" 0402_R 964.57,1515.75 r270 top (schematic designator R15)
UP_R16 "1KΩ ±1%" 0402_R 565.94,1449.8 r90 top (schematic designator R16)
UP_SW4 "K2-1102SP-C4SC-04" TECO-FSM4JSMATR_V 759.84,1707.68 r270 top (schematic designator SW4)
UP_U9 "NE555DR" SOIC-8_150mil 759.84,1461.61 r270 top (schematic designator U9)
VR1 "XC6206P332MR" SOT-23-3L 355.31,684.06 r180 top
Y1 "YSX321SL" YSX321SL 1678.15,920.28 r180 top

## Footprints (in the part's own frame and the unit in brackets; to place one, negate y for a bottom-side part, rotate by r counter-clockwise, add the part's x,y. Pads: shape width x height; smd on the part's side, far side on the other; paste and mask are expansions set on the pad)
0402 [mm] "Chip Capacitor, Body 1.0x0.5mm, IPC High Density"
  rect 0.6x0.5 smd: 1(-0.5,0) 2(0.5,0)
  body extent -0.55,-0.3 0.55,0.3, height 1.3
0402_C [mm]
  rect 0.6x0.65 smd mask+0.051: 1(-0.425,0) 2(0.425,0)
  silkscreen extent -0.97,-0.58 0.98,0.58, body extent -0.48,-0.3 0.52,0.3, height 0.2
0402_R [mm]
  rect 0.6x0.65 smd mask+0.051: 1(-0.425,0) 2(0.425,0)
  silkscreen extent -0.97,-0.58 0.97,0.58, body extent -0.57,-0.27 0.58,0.28, height 0.41
0805_C [mm]
  rect 1.16x1.47 smd: 1(-0.89,0) 2(0.89,0)
  silkscreen extent -1.77,-1.04 1.77,1.04, body extent -1,-0.62 1,0.63, height 0.77
62201021121 [mm] "Pin Header, pitch 1.27 mm, THT, Vertical, dual row, 10p"
  round 1.05 hole 0.7: 1(-2.54,-0.635) 2(-2.54,0.635) 3(-1.27,-0.635) 4(-1.27,0.635) 5(0,-0.635) 6(0,0.635) 7(1.27,-0.635) 8(1.27,0.635) 9(2.54,-0.635) 10(2.54,0.635)
  silkscreen extent -3.32,-1.78 3.32,1.77, body extent -3.17,-1.7 3.18,1.7, height 5.33
ADA-RGB-1655_V [mm] "SMD, 4-Leads, Body 5x5mm"
  rect 1.5x0.9 smd: 1(-2.45,1.65) 2(-2.45,-1.65) 3(2.45,-1.65) 4(2.45,1.65)
  silkscreen extent -3.88,-2.5 2.5,2.5, body extent -2.7,-2.5 2.7,2.5, height 1.68
CASE-B_3528 [mm]
  rect 1.8x2.6 smd: 1(1.5,0) 2(-1.5,0)
  silkscreen extent -2.73,-1.65 3.16,1.65, body extent -1.85,-1.47 1.85,1.46, height 2.03
Expatria-Logo [mil] "Expatria DXF logo"